# Altium PCB RCJ22_driverboard_2.PcbDoc (part 2 of 3)
Units mm, origin at the board's own origin, x right, y up, seen from the top; angles counter-clockwise.
Board outline 91 x 109.68 mm, 4 copper layers (Top Layer, Layer 1, Layer 2, Bottom Layer), stack 1.283 mm thick; 182 components, 135 nets, 669 pads, 306 vias.
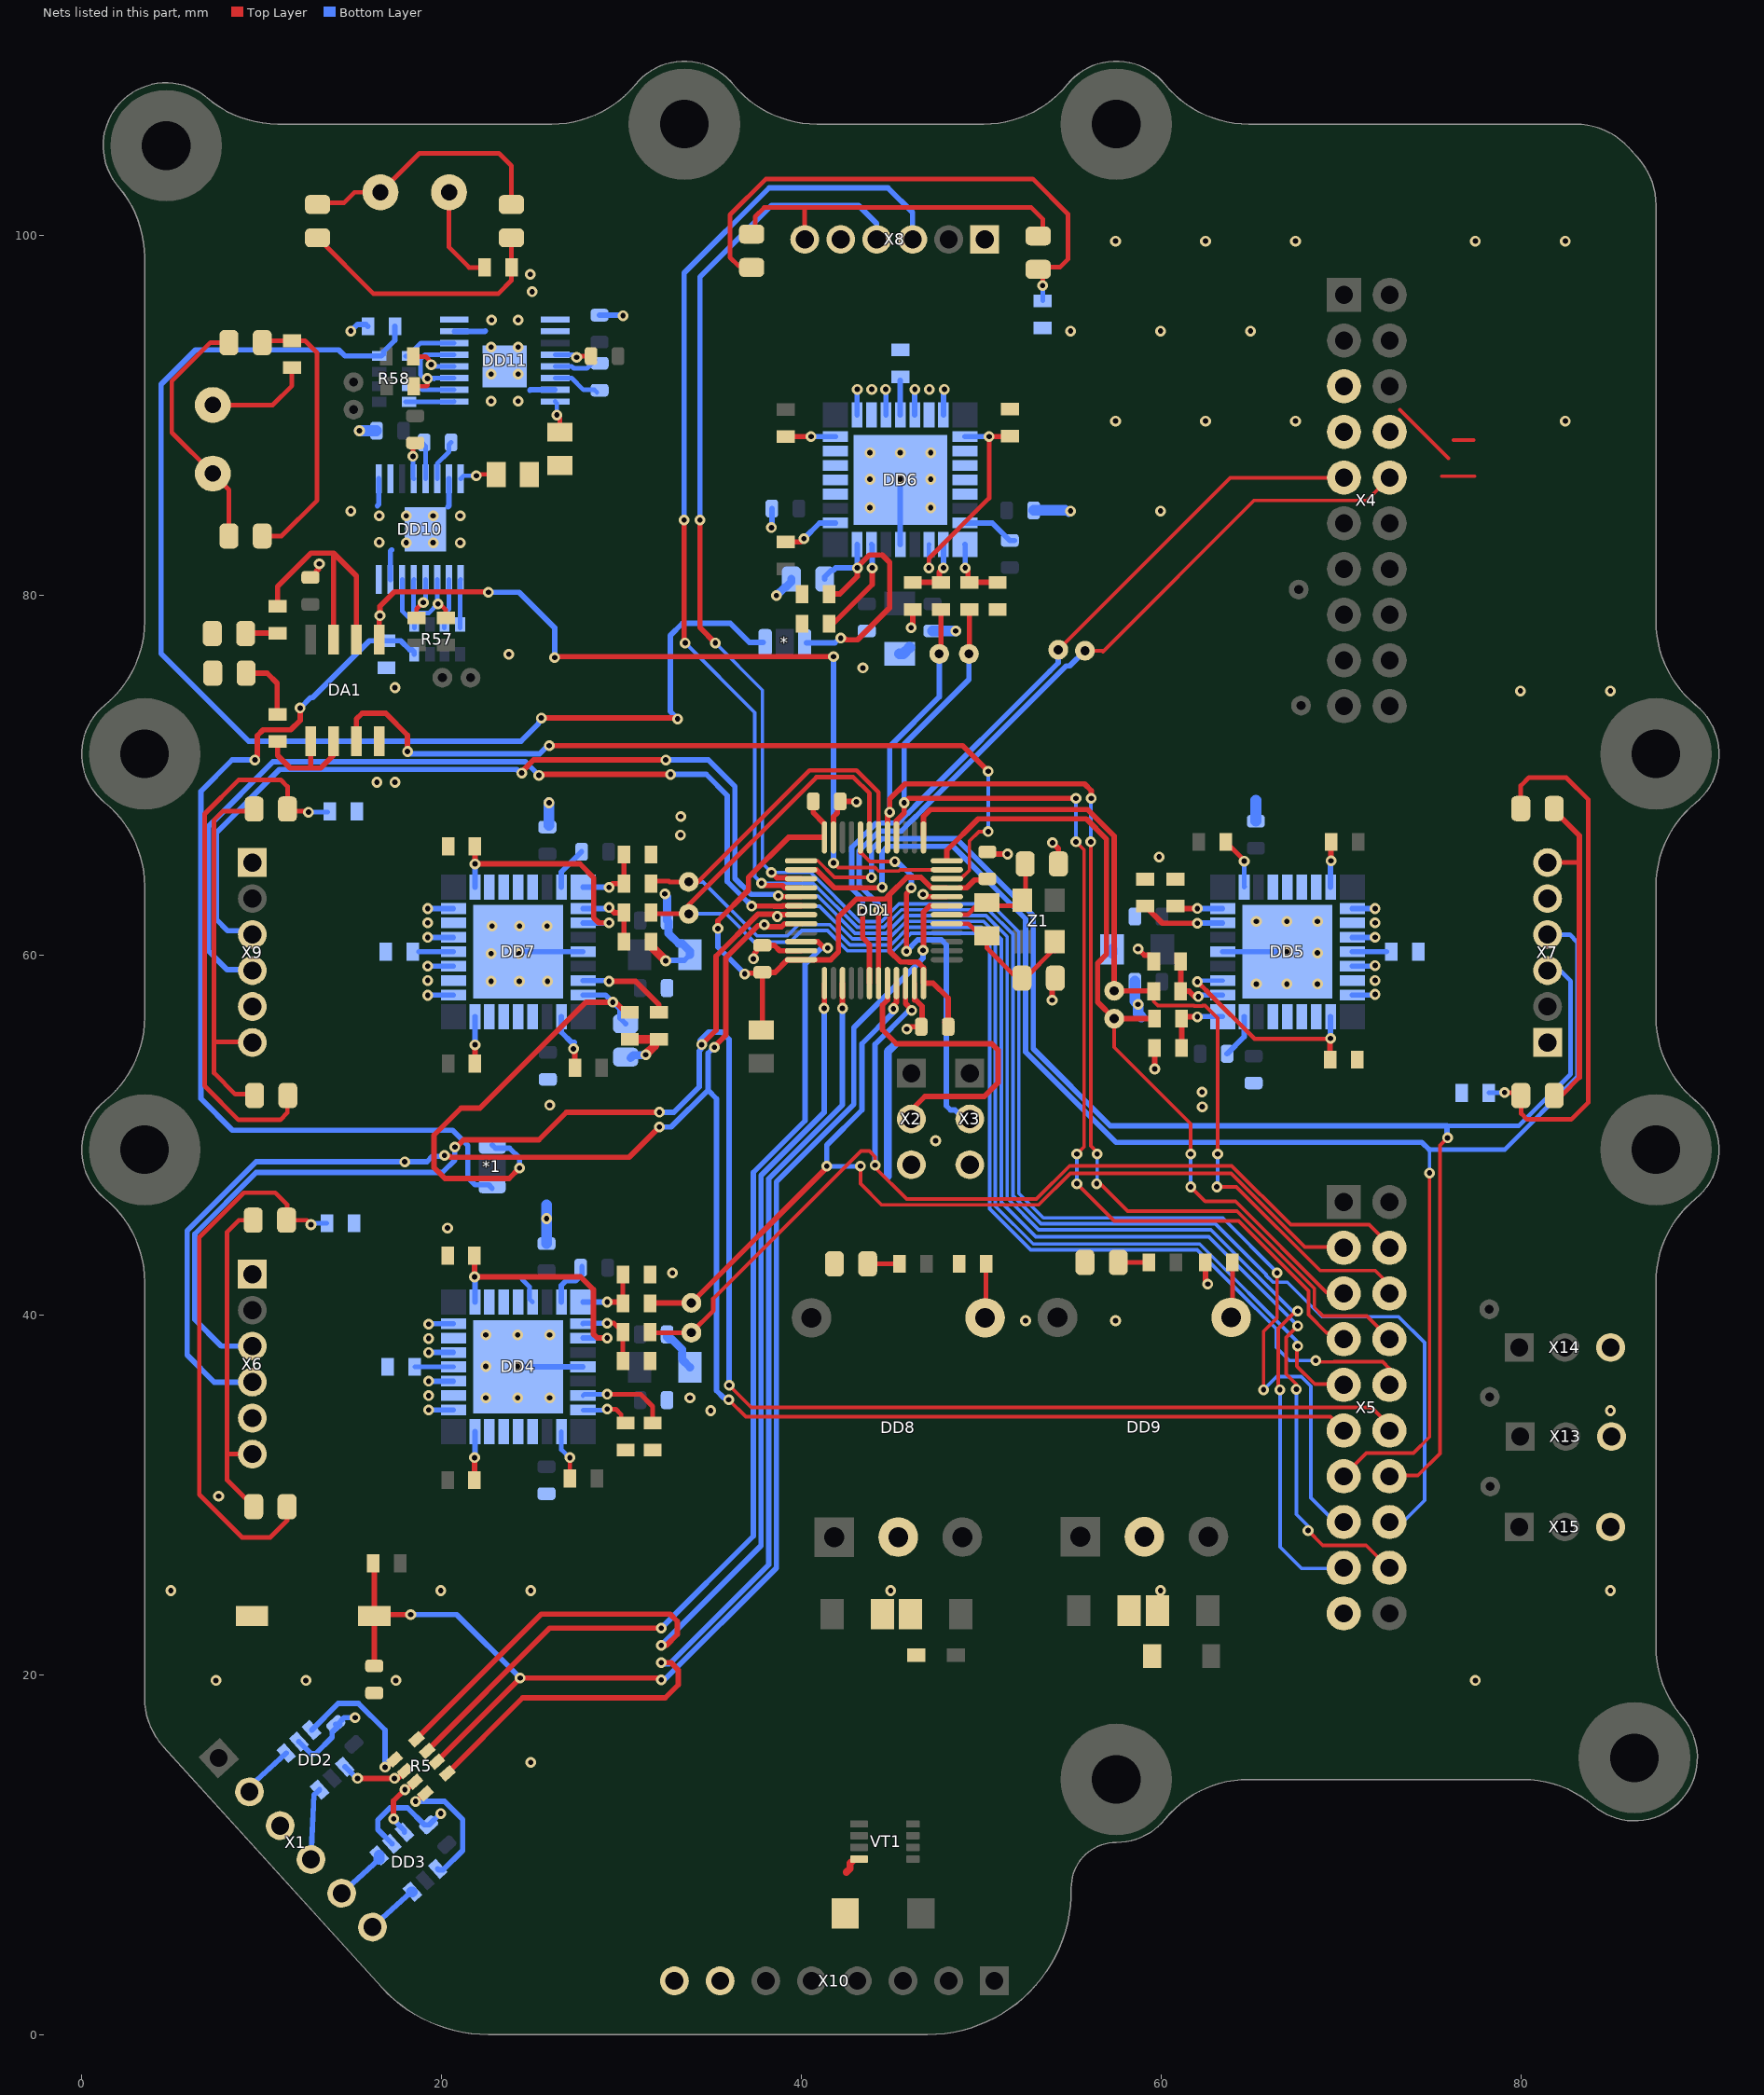
[diagram p4: the nets of this part, all layers, seen from the top]

## Via types
v1: diameter 0.6, hole 0.3, Top Layer to Bottom Layer, tented both sides, 306 vias

## Nets (pads, with @x,y where several pads share a name; then routed paths per layer and width w, separated by ;. In a path a pad name is that pad's centre, name@x,y a point inside that pad or via, vN(x,y) a via of type N, cw(c..) or ccw(c..) an arc to the next point about the centre after c; other vN are vias at no path point) (continued)
CURRENT_DRV1: *1.1 R55.2 R57.4 | length 53.2
  Top Layer w0.3: v1(9.643,70.853) 9.643,70.935 9.782,71.074 9.782,72.208 10.099,72.524 11.629,72.524 12.156,73.051 v1(12.156,73.739)
  Bottom Layer w0.3: v1(9.643,70.853) 8.382,70.853 6.641,69.112 6.641,52.033 8.396,50.277 20.633,50.277 21.475,49.435 21.475,47.643 21.878,47.239 22.636,47.239 *1.1@22.825,47.05 ; v1(12.156,73.739) 12.734,74.317 12.852,74.317 16.01,77.475 R55.2@16.95,77.475 17.749,77.475 18.249,76.975 18.374,76.975 18.499,76.85 R57.4@18.499,76.725
CURRENT_DRV2: *.1 R56.2 R58.4 | length 72.2
  Top Layer w0.3: v1(25.562,73.187) 33.087,73.187 v1(33.139,73.135)
  Bottom Layer w0.3: R56.2@17.425,94.95 17.421,94.946 17.421,94.176 16.8,93.555 16.8,93.43 16.675,93.305 R58.4@16.55,93.305 14.643,93.305 14.3,93.647 6.343,93.647 4.425,91.729 4.425,76.771 9.296,71.9 24.434,71.9 25.412,72.878 25.412,72.956 25.562,73.106 v1(25.562,73.187) ; v1(33.139,73.135) 32.725,73.549 32.725,77.769 33.41,78.453 36.057,78.453 37.129,77.381 *.1@37.894,77.381
GND: C1.2 C2.2 C3.1 C4.1 C5.1 C6.1 C7.1 C8.1 C9.1 C10.1 C11.1 C12.1 C13.1 C14.1 C15.1 C16.1 C17.1 C18.1 C19.1 C20.1 C23.1 C24.1 C25.1 C26.1 C27.1 C28.1 C29.1 C30.1 C31.1 C32.1 C35.1 C36.1 C37.1 C38.1 C41.1 C42.1 C45.1 C46.1 DA1.4 DD1.8 DD1.23 DD1.35 DD1.47 DD2.2 DD3.2 DD4.5 DD4.18 DD4.19 DD4.20 DD4.22 DD4.23 DD4.24 DD4.33 DD5.5 DD5.18 DD5.19 DD5.20 DD5.22 DD5.23 DD5.24 DD5.33 DD6.5 DD6.18 DD6.19 DD6.20 DD6.22 DD6.23 DD6.24 DD6.33 DD7.5 DD7.18 DD7.19 DD7.20 DD7.22 DD7.23 DD7.24 DD7.33 DD8.2 DD9.2 DD10.7 DD10.9 DD10.15 DD10.17 DD11.7 DD11.9 DD11.15 DD11.17 R11.1 R12.1 R13.1 R14.1 R15.1 R16.1 R17.1 R18.1 R23.1 R24.1 R25.1 R26.1 R33.1 R34.1 R35.1 R36.1 R37.1 R38.1 R39.1 R40.1 R45.1 R46.1 R47.1 R48.1 R51.1 R52.1 R55.1 R56.1 R63.2 R64.2 SB1.2 VD1.1 VD2.1 VD11.2 VD12.1 VD13.1 VD14.2 VD15.2 VT1.2 X1.3 X2.3 X3.3 X4.5 X4.7 X4.8 X5.19 X6.5 X7.5 X8.5 X9.5 X10.7 X10.8 X13.3 X14.3 X15.3 | length 122.2
  Top Layer w0.2: X4.8@72.69,89.065 X4.8@73.16,89.065 ; 73.285,90.315 75.975,87.625 ; 75.6,86.625 77.425,86.625 ; 76.25,88.625 77.375,88.625
  Top Layer w0.3: C4.1@12.725,81 12.861,81 13.06,81.198 13.06,81.335 13.168,81.443 13.168,81.693 v1(13.225,81.751) ; v1@37.349,59.801 v1(37.35,59.8) 37.407,59.857 37.407,60.107 37.515,60.215 37.515,60.352 37.714,60.55 C9.1@37.85,60.55 38.507,60.55 38.807,60.25 DD1.35@40,60.25 ; DD1.23@41.8,66.55 41.8,67.701 42.02,67.921 42.02,68.395 C7.1@42.175,68.55 ; C7.1@42.155,68.57 C7.1@42.175,68.55 ; v1(43.075,68.521) 43.046,68.55 C7.1@42.175,68.55 ; v1(45.875,55.9) 46,56.025 C8.1@46.675,56.025 46.725,56.075 46.725,57.168 46.388,57.504 46.3,57.504 DD1.47@46.3,58.45 ; v1(46.116,78.2) 46.116,78.281 46.2,78.365 R33.1@46.2,79.225 ; v1(46.775,63.378) 46.856,63.378 46.984,63.25 DD1.8@48.1,63.25 ; C10.1@50.35,65.75 50.475,65.625 v1(51.468,65.625) ; v1(53.95,57.504) C1.2@53.95,58.725 ; v1@53.975,66.249 54.3,65.924 C2.2@54.3,65.075 ; v1(58.725,60.351) 59.076,60 59.4,60 59.6,59.8 R12.1@59.6,59.65 ; R14.1@59.65,54.85 v1(59.65,53.678) v1@59.678,53.65 ; R52.1@62.475,42.925 62.475,41.93 62.6,41.805 v1(62.6,41.724) ; X4.7@70.15,89.065 X4.7@70.64,89.065
  Top Layer w0.4: 42.515,9.037 42.717,9.239 42.717,9.53 42.921,9.735 42.921,9.764 VT1.2@43.221,9.764
  Top Layer w0.5: R48.1@30.475,55.325 R39.1@31.95,55.325 ; v1(31.363,54.475) 31.85,54.962 31.85,55.225 R39.1@31.95,55.325 ; R34.1@31.65,60.75 31.75,60.65 31.75,60.415 v1(32.475,59.69) ; R39.1@32.1,55.325 R39.1@31.95,55.325
  Bottom Layer w0.3: DD2.2@12.089,16.295 12.769,15.615 13.018,15.615 13.939,16.536 13.939,16.82 14.376,17.257 C5.1@14.23,17.257 ; C5.1@14.137,17.257 C5.1@14.23,17.257 ; v1(14.975,94.69) 15.341,95.056 15.819,95.056 R56.1@15.925,94.95 ; v1(15.213,17.632) 14.605,17.632 C5.1@14.23,17.257 ; 16.45,84.975 16.525,85.05 DD10.9@16.525,86.475 ; DD10.7@17.175,80.875 17.175,82.46 17.25,82.535 ; DD3.2@17.269,10.618 16.475,11.412 16.475,11.94 17.146,12.611 18.126,12.611 19.066,11.67 C6.1@19.301,11.67 19.328,11.67 19.958,12.3 v1(19.975,12.3) ; v1(19.25,57.775) 19.267,57.792 DD7.18@20.675,57.792 ; v1(19.25,59.392) DD7.20@20.675,59.392 ; v1(19.25,60.992) DD7.22@20.675,60.992 ; v1(19.25,62.592) DD7.24@20.675,62.592 ; v1(19.3,34.725) DD4.18@20.675,34.725 ; v1(19.3,36.325) DD4.20@20.675,36.325 ; v1(19.3,37.925) DD4.22@20.675,37.925 ; v1(19.3,39.5) 19.325,39.525 DD4.24@20.675,39.525 ; 20.375,84.925 20.425,84.975 DD10.15@20.425,86.475 ; DD11.7@20.725,94.675 22.427,94.675 22.442,94.69 ; DD4.33@24.275,37.125 DD4.5@27.875,37.125 ; DD7.33@24.275,60.192 DD7.5@27.875,60.192 ; 24.925,91.406 24.944,91.425 DD11.15@26.325,91.425 ; C26.1@25.9,67.125 C26.1@25.989,67.214 ; C42.1@28.797,95.575 v1@30.074,95.575 ; v1@32.725,59.715 33.515,59.715 C24.1@33.82,60.02 ; v1(38.35,83.763) 38.375,83.788 C31.1@38.375,84.825 ; DD6.18@43.112,90.025 43.112,91.442 v1(43.12,91.45) ; v1(44.7,91.45) 44.712,91.438 DD6.20@44.712,90.025 ; DD6.5@45.512,82.825 DD6.33@45.512,86.425 ; DD6.22@46.312,90.025 46.312,91.437 v1(46.325,91.45) ; DD6.24@47.912,90.025 47.912,91.4 v1(47.962,91.45) ; 54.655,84.721 v1@54.876,84.5 ; DD5.5@63.425,60.192 DD5.33@67.025,60.192 ; 65.275,68.627 65.348,68.7 ; DD5.24@70.625,57.792 71.867,57.792 v1(71.9,57.825) ; DD5.22@70.625,59.392 71.867,59.392 v1(71.9,59.425) ; DD5.20@70.625,60.992 71.892,60.992 v1(71.9,61) ; DD5.18@70.625,62.592 v1(71.9,62.592)
  Bottom Layer w0.45: C46.1@30.515,54.294 30.667,54.446 31.334,54.446 v1(31.363,54.475) ; v1@32.454,63.382 32.454,63.341 32.55,63.245 C30.1@32.55,61.925 32.634,61.841 32.634,61.206 33.195,60.645 33.395,60.645 33.82,60.22 C24.1@33.82,60.02 ; C17.1@32.55,38.925 32.55,38.775 32.675,38.65 32.825,38.65 33.395,38.08 33.395,37.525 C11.1@33.82,37.1 ; v1(38.629,79.986) 39.104,80.461 39.162,80.461 39.459,80.759 C45.1@39.459,80.913 ; 44.825,47.714 44.825,54.648 45.202,55.025
  Bottom Layer w0.6: v1(15.45,89.15) C41.1@16.4,89.15 ; C13.1@25.85,43.975 v1(25.85,45.365) 25.85,46.133 ; C26.1@25.989,67.214 v1(25.989,68.475) ; C23.1@45.475,76.75 45.675,76.75 C23.1@46.025,77.1 ; C29.1@47.3,78.025 v1(48.592,78.025) ; C25.1@52.925,84.721 54.655,84.721 ; C12.1@57.28,60.125 C12.1@57.28,60.325 ; C18.1@58.55,58.55 58.55,57.444 v1(58.725,57.269) 58.725,56.76 58.91,56.575 ; C20.1@65.275,67.45 65.275,68.627
  other v1: 24.975,15.14 7.475,19.69 12.475,19.69 17.475,19.69 77.475,19.69 4.975,24.69 19.975,24.69 24.975,24.69 44.975,24.69 59.975,24.69 84.975,24.69 7.625,29.94 34.975,34.69 84.975,34.69 22.475,35.4 24.25,35.4 26.025,35.4 33.82,35.4 19.3,35.525 22.475,37.15 24.25,37.15 19.3,38.7 22.475,38.9 24.25,38.9 26.025,38.9 52.475,39.69 57.475,39.69 32.847,42.35 20.35,44.842 47.475,49.69 62.296,51.575 26.025,51.662 62.278,52.4 65.3,58.4 67,58.4 68.7,58.4 22.775,58.55 24.338,58.55 25.9,58.55 19.25,58.6 71.9,58.6 22.775,60.088 24.325,60.088 68.7,60.125 67,60.192 22.825,61.625 24.35,61.625 25.875,61.625 19.25,61.8 71.9,61.8 65.3,61.875 67,61.875 68.7,61.875 32.425,63.41 59.902,65.463 53.975,66.25 33.3,66.68 33.305,67.707 16.424,69.615 17.425,69.615 79.975,74.69 84.975,74.69 17.425,74.875 43.431,75.964 23.75,76.727 18.05,82.925 19.55,82.925 21.05,82.925 16.55,82.95 16.55,84.425 18.05,84.425 19.55,84.425 21.05,84.425 14.975,84.69 54.975,84.69 59.975,84.69 43.825,84.875 47.2,84.875 43.825,86.455 45.513,86.455 47.2,86.455 43.825,87.925 45.513,87.925 47.2,87.925 57.475,89.69 62.475,89.69 67.475,89.69 82.475,89.69 22.775,90.8 24.275,90.8 43.925,91.45 47.125,91.45 22.775,92.3 24.275,92.3 22.775,93.8 24.275,93.8 54.975,94.69 59.975,94.69 64.975,94.69 22.8,95.3 24.275,95.3 30.105,95.544 25.049,96.875 24.944,97.837 57.475,99.69 62.475,99.69 67.475,99.69 77.475,99.69 82.475,99.69
MCU_BOOT0: DD1.44 X2.2 | length 16.9
  Top Layer w0.3: DD1.44@44.8,58.45 44.8,57.511 44.525,57.236 44.525,55.85 45.3,55.075 50.6,55.075 50.95,54.725 50.95,52.92 50.18,52.15 46.875,52.15 X2.2@46.125,51.4
MCU_BOOT1: DD1.20 X3.2 | length 21.3
  Top Layer w0.2: DD1.20@43.3,65.731 43.828,65.203 v1(45.202,65.203)
  Top Layer w0.3: DD1.20@43.3,65.731 DD1.20@43.3,66.55 ; v1(45.85,60.225) 45.85,63.424 46.124,63.698 v1(46.124,63.75)
  Bottom Layer w0.3: v1(45.202,65.203) 45.283,65.203 45.433,65.053 45.497,65.053 46.124,64.426 v1(46.124,63.75) ; v1(45.85,60.225) 46.478,60.853 47.797,60.853 48.072,60.578 48.072,51.628 48.3,51.4 48.549,51.4 48.787,51.162 X3.2@49.137,51.162
MCU_LED1: DA1.3 DD1.10 | length 46.4
  Top Layer w0.2: DD1.10@48.1,64.25 48.88,64.25 49.35,64.72 49.35,66.35 49.875,66.875 v1(50.4,66.875)
  Top Layer w0.3: DA1.3@15.285,71.9 15.285,73.135 15.6,73.45 16.912,73.45 18.125,72.237 v1(18.125,71.325) ; v1(26,71.644) 48.981,71.644 v1(50.4,70.225)
  Bottom Layer w0.2: v1(50.4,66.875) v1(50.4,70.225)
  Bottom Layer w0.3: v1(18.125,71.325) 18.206,71.325 18.339,71.192 25.467,71.192 25.919,71.644 v1(26,71.644)
MCU_LED2: DA1.5 DD1.11 | length 48
  Top Layer w0.2: v1@16.555,78.905 v1(16.59,78.87) ; v1(41.8,65.127) 42.049,64.878 44.101,64.878 44.301,64.678 45.42,64.678 45.491,64.75 DD1.11@48.1,64.75
  Top Layer w0.3: DA1.5@16.555,77.55 v1@16.555,78.905 ; v1(16.59,78.87) 16.59,79.39 17.4,80.2 22.6,80.2 v1(22.625,80.175) ; v1(26.3,76.55) 26.35,76.6 26.425,76.525 26.5,76.6 v1(41.8,76.6)
  Bottom Layer w0.3: v1(22.625,80.175) 24.325,80.175 26.3,78.2 v1(26.3,76.55) ; v1(41.8,65.127) v1(41.8,76.6)
MCU_MOTOR1_ENC: DD1.32 X5.11 X6.4 | length 108.9
  Top Layer w0.2: v1(35.975,35.3) 36.925,34.35 69.42,34.35 X5.11@70.15,33.62
  Top Layer w0.3: v1(20.175,48.877) 20.232,48.819 20.464,48.819 20.518,48.765 30.44,48.765 v1(32.125,50.45) ; v1(35.185,54.885) 35.185,54.927 35.817,55.559 35.817,59.859 37.601,61.643 37.893,61.643 v1(37.95,61.7) 38.025,61.7 38.147,61.578 38.915,61.578 39.087,61.75 DD1.32@40,61.75
  Bottom Layer w0.3: X6.4@9.525,36.275 7.385,36.275 5.875,37.785 5.875,44.688 9.712,48.525 17.961,48.525 v1(17.968,48.518) ; v1@18,48.525 19.202,48.525 19.496,48.819 20.118,48.819 v1(20.175,48.877) ; v1(32.125,50.45) 32.775,50.45 34.825,52.5 ; v1(35.185,54.885) 35.144,54.885 34.825,54.566 34.825,52.5 ; v1(35.975,35.3) 35.87,35.405 35.695,35.405 35.3,35.8 35.3,52.025 34.825,52.5
MCU_MOTOR1_ENC_INT: DD1.31 X5.12 X6.3 | length 113.3
  Top Layer w0.2: v1(36,36.1) 37.23,34.87 71.7,34.87 72.69,33.88 X5.12@72.69,33.62
  Top Layer w0.3: v1(20.756,49.34) 20.837,49.34 21.238,49.741 25.428,49.741 26.961,51.275 v1(32.125,51.275) ; v1(34.475,55.032) 35.269,55.826 35.269,59.956 37.562,62.249 37.587,62.249 37.613,62.275 38.625,62.275 v1@38.677,62.223 ; v1(38.677,62.153) v1@38.677,62.223 ; DD1.31@40,62.25 38.7,62.25 38.677,62.227 v1@38.677,62.223
  Bottom Layer w0.3: X6.3@9.525,38.275 7.775,38.275 6.3,39.75 6.3,44.512 9.713,47.925 20.066,47.925 20.75,48.609 20.75,49.334 v1(20.756,49.34) ; v1(32.125,51.275) 32.925,51.275 34.335,52.685 34.335,54.678 34.418,54.76 34.418,54.974 v1(34.475,55.032) ; v1@34.393,54.949 34.393,55.268 34.85,55.725 35.6,55.725 36,55.325 v1(36,36.1)
MCU_MOTOR1_IN1: 2.1 DD1.45 R7.1 X5.3 | length 57.3
  Top Layer w0.2: v1@43.296,48.225 43.296,47.304 44.475,46.125 53.208,46.125 54.958,47.875 63.9,47.875 67.995,43.78 X5.3@70.15,43.78
  Top Layer w0.3: R7.1@31.6,40.65 31.625,40.675 2.1@33.9,40.675 41.425,48.2 v1(41.425,48.275) ; v1@45.125,57.212 45.3,57.387 DD1.45@45.3,58.45 ; v1@45.125,57.212 v1(45.125,57.023) v1@45.225,57.123
  Bottom Layer w0.254: v1(41.425,48.275) v1(43.296,48.275)
  Bottom Layer w0.3: v1(41.425,48.275) 41.425,49.45 43.375,51.4 43.375,55.075 v1@45.125,56.825
MCU_MOTOR1_IN2: 6.1 DD1.46 R8.1 X5.4 | length 60.7
  Top Layer w0.2: 35.125,40.9 43.338,49.113 43.8,49.113 44.114,48.799 v1(44.114,48.325) ; v1@44.114,48.2 45.864,46.45 53.073,46.45 54.923,48.3 63.935,48.3 67.21,45.025 69.627,45.025 69.632,45.03 71.57,45.03 72.69,43.91 X5.4@72.69,43.78 ; v1(46.15,56.929) v1@46.15,56.967
  Top Layer w0.254: R8.1@31.6,39.05 31.625,39.025 6.1@33.9,39.025 35.125,40.25 35.125,40.9
  Top Layer w0.3: DD1.46@45.8,58.45 45.8,57.317 v1@46.15,56.967
  Bottom Layer w0.3: v1(44.114,48.325) 44.114,55.05 v1@45.95,56.886
MCU_MOTOR2_ENC: DD1.26 X5.13 X7.4 | length 89.6
  Top Layer w0.2: X5.13@70.15,31.08 70.155,31.08 71.405,32.33 73.208,32.33 73.213,32.325 74.025,32.325 74.925,33.225 v1(74.925,47.9)
  Top Layer w0.3: DD1.26@40,64.75 40.851,64.75 41.851,63.75 44.474,63.75 v1(44.502,63.778)
  Bottom Layer w0.2: v1(74.925,47.9) 74.925,49.192
  Bottom Layer w0.254: 74.925,49.192 79.103,49.192 83.148,53.237 83.148,60.719 82.717,61.15 X7.4@81.538,61.15
  Bottom Layer w0.3: v1(44.502,63.778) 44.502,65.727 44.825,66.05 48.45,66.05 52.475,62.025 52.475,54.625 57.5,49.6 74.5,49.6 74.908,49.192 74.925,49.192
MCU_MOTOR2_ENC_INT: DD1.25 X5.14 X7.3 | length 85.5
  Top Layer w0.2: DD1.25@40,65.25 40.935,65.25 41.857,64.328 43.139,64.328 43.142,64.325 v1(43.912,64.325) ; X5.14@72.69,31.08 74.28,31.08 75.5,32.3 75.5,49.425 v1(75.925,49.85)
  Bottom Layer w0.254: 75.9,50.525 79.9,50.525 82.769,53.394 82.769,58.556 82.175,59.15 X7.3@81.538,59.15
  Bottom Layer w0.3: v1(43.912,64.325) 43.912,65.887 44.5,66.475 48.626,66.475 52.9,62.201 52.9,54.801 57.176,50.525 75.9,50.525 75.9,49.875 v1(75.925,49.85)
MCU_MOTOR2_IN1: 8.1 DD1.12 R9.1 X5.5 | length 45.6
  Top Layer w0.2: 8.1@57.4,56.475 57.4,54.887 61.65,50.637 v1@61.65,48.975 ; v1(61.65,47.125) 62.46,46.315 64.146,46.315 69.222,41.24 X5.5@70.15,41.24
  Top Layer w0.3: DD1.12@48.1,65.25 48.1,65.825 49.85,67.575 55.85,67.575 56.975,66.45 56.975,60.05 56.475,59.55 56.475,57.4 8.1@57.4,56.475 R9.1@59.65,56.475
  Bottom Layer w0.2: v1(61.65,47.125) v1(61.65,48.95) v1@61.65,49.031
MCU_MOTOR2_IN2: 11.1 DD1.13 R10.1 X5.6 | length 49.6
  Top Layer w0.2: R10.1@59.6,58 59.6,57.425 59.825,57.2 61.838,57.2 61.861,57.178 62.295,57.178 62.318,57.2 62.45,57.2 63.15,56.5 v1@63.15,49.05 ; v1(63.1,47.125) 64.19,47.125 68.84,42.475 71.9,42.475 72.69,41.685 X5.6@72.69,41.24
  Top Layer w0.3: DD1.13@46.8,66.55 46.8,67.707 47.193,68.1 55.926,68.1 57.4,66.626 11.1@57.4,58.025 59.575,58.025 R10.1@59.6,58
  Bottom Layer w0.2: v1(63.1,47.125) 63.15,47.175 v1(63.15,48.95) v1@63.15,49.05
MCU_MOTOR3_ENC: DD1.27 X5.15 X8.4 | length 114.3
  Top Layer w0.2: v1@65.7,36.075 65.7,39.1 66.45,39.85 v1(66.45,42.35)
  Top Layer w0.3: v1(34.375,84.191) 34.375,78.209 v1(35.23,77.354) ; v1(38.352,64.603) 38.652,64.303 39.141,64.303 39.194,64.25 DD1.27@40,64.25
  Bottom Layer w0.2: v1(35.23,77.354) 37.85,74.734 37.85,65.105 v1(38.352,64.603) 40.529,64.603 43.258,61.875 44.459,61.875 45.438,62.853 50.545,62.853 52.1,61.298 52.1,46.769 53.469,45.4 63.428,45.4 v1@66.464,42.364 ; v1(65.7,35.85) 66.425,36.575 67.8,36.575 68.325,36.05 68.325,29.85 69.675,28.5 X5.15@70.15,28.5
  Bottom Layer w0.3: v1(34.375,84.191) 34.375,97.7 38.35,101.675 43.188,101.675 44.192,100.671 X8.4@44.192,99.763
MCU_MOTOR3_ENC_INT: DD1.28 X5.16 X8.3 | length 122.6
  Top Layer w0.3: v1(33.5,84.191) 33.5,77.41 v1(33.556,77.354) ; v1@37.75,64 v1(37.8,64) ; v1@37.928,63.878 38.965,63.878 39.093,63.75 DD1.28@40,63.75
  Bottom Layer w0.2: v1(33.556,77.354) 37.425,73.485 37.425,64.375 v1(37.8,64) 40.673,64 43.123,61.55 44.594,61.55 45.572,62.528 50.41,62.528 51.775,61.163 51.775,46.635 53.335,45.075 63.025,45.075 65.85,42.25 65.85,42.208 66.233,41.825 67.025,41.825 68.94,39.91 73.212,39.91 74.65,38.472 74.65,29.7 73.45,28.5 X5.16@72.69,28.5
  Bottom Layer w0.3: v1(33.5,84.191) 33.5,97.925 38.225,102.65 44.825,102.65 46.192,101.283 X8.3@46.192,99.763
MCU_MOTOR3_IN1: 13.1 DD1.16 R29.1 X5.7 | length 65.3
  Top Layer w0.2: v1@55.275,47.35 57.4,45.225 64.317,45.225 68.2,41.342 68.2,40.025 69.2,39.025 70.15,39.025 X5.7@70.15,38.7 ; v1(55.275,66.3) 55.725,65.85 55.725,49.35 v1(55.325,48.95)
  Top Layer w0.3: DD1.16@45.3,66.55 45.3,67.475 45.725,67.9 v1(45.725,68.475) 45.975,68.725 v1(55.275,68.725) ; 13.1@49.325,76.75 49.35,76.775 R29.1@49.35,79.225
  Bottom Layer w0.2: v1@55.275,49.15 55.325,49.1 v1(55.325,48.95) v1(55.325,47.3) ; v1(55.275,66.3) v1@55.275,68.65
  Bottom Layer w0.3: v1(45.725,68.475) 45.725,71.725 49.325,75.325 13.1@49.325,76.75
MCU_MOTOR3_IN2: 16.1 DD1.17 R30.1 X5.8 | length 68.7
  Top Layer w0.2: v1(56.1,66.3) 56.1,49.4 v1@56.45,49.05 ; v1@56.425,47.25 56.675,47.25 58.15,45.775 64.227,45.775 68.525,41.477 68.525,40.425 69,39.95 71.44,39.95 X5.8@72.69,38.7